# Altium PCB CL-HC-M-V2.1gerber.PcbDoc (part 17 of 18)
Units mil, origin at the board's own origin, x right, y up, seen from the top; angles counter-clockwise.
Board outline 27559.06 x 27559.06 mil, 2 copper layers (TopLayer, BottomLayer); 757 components, 558 nets, 2605 pads, 2186 vias.
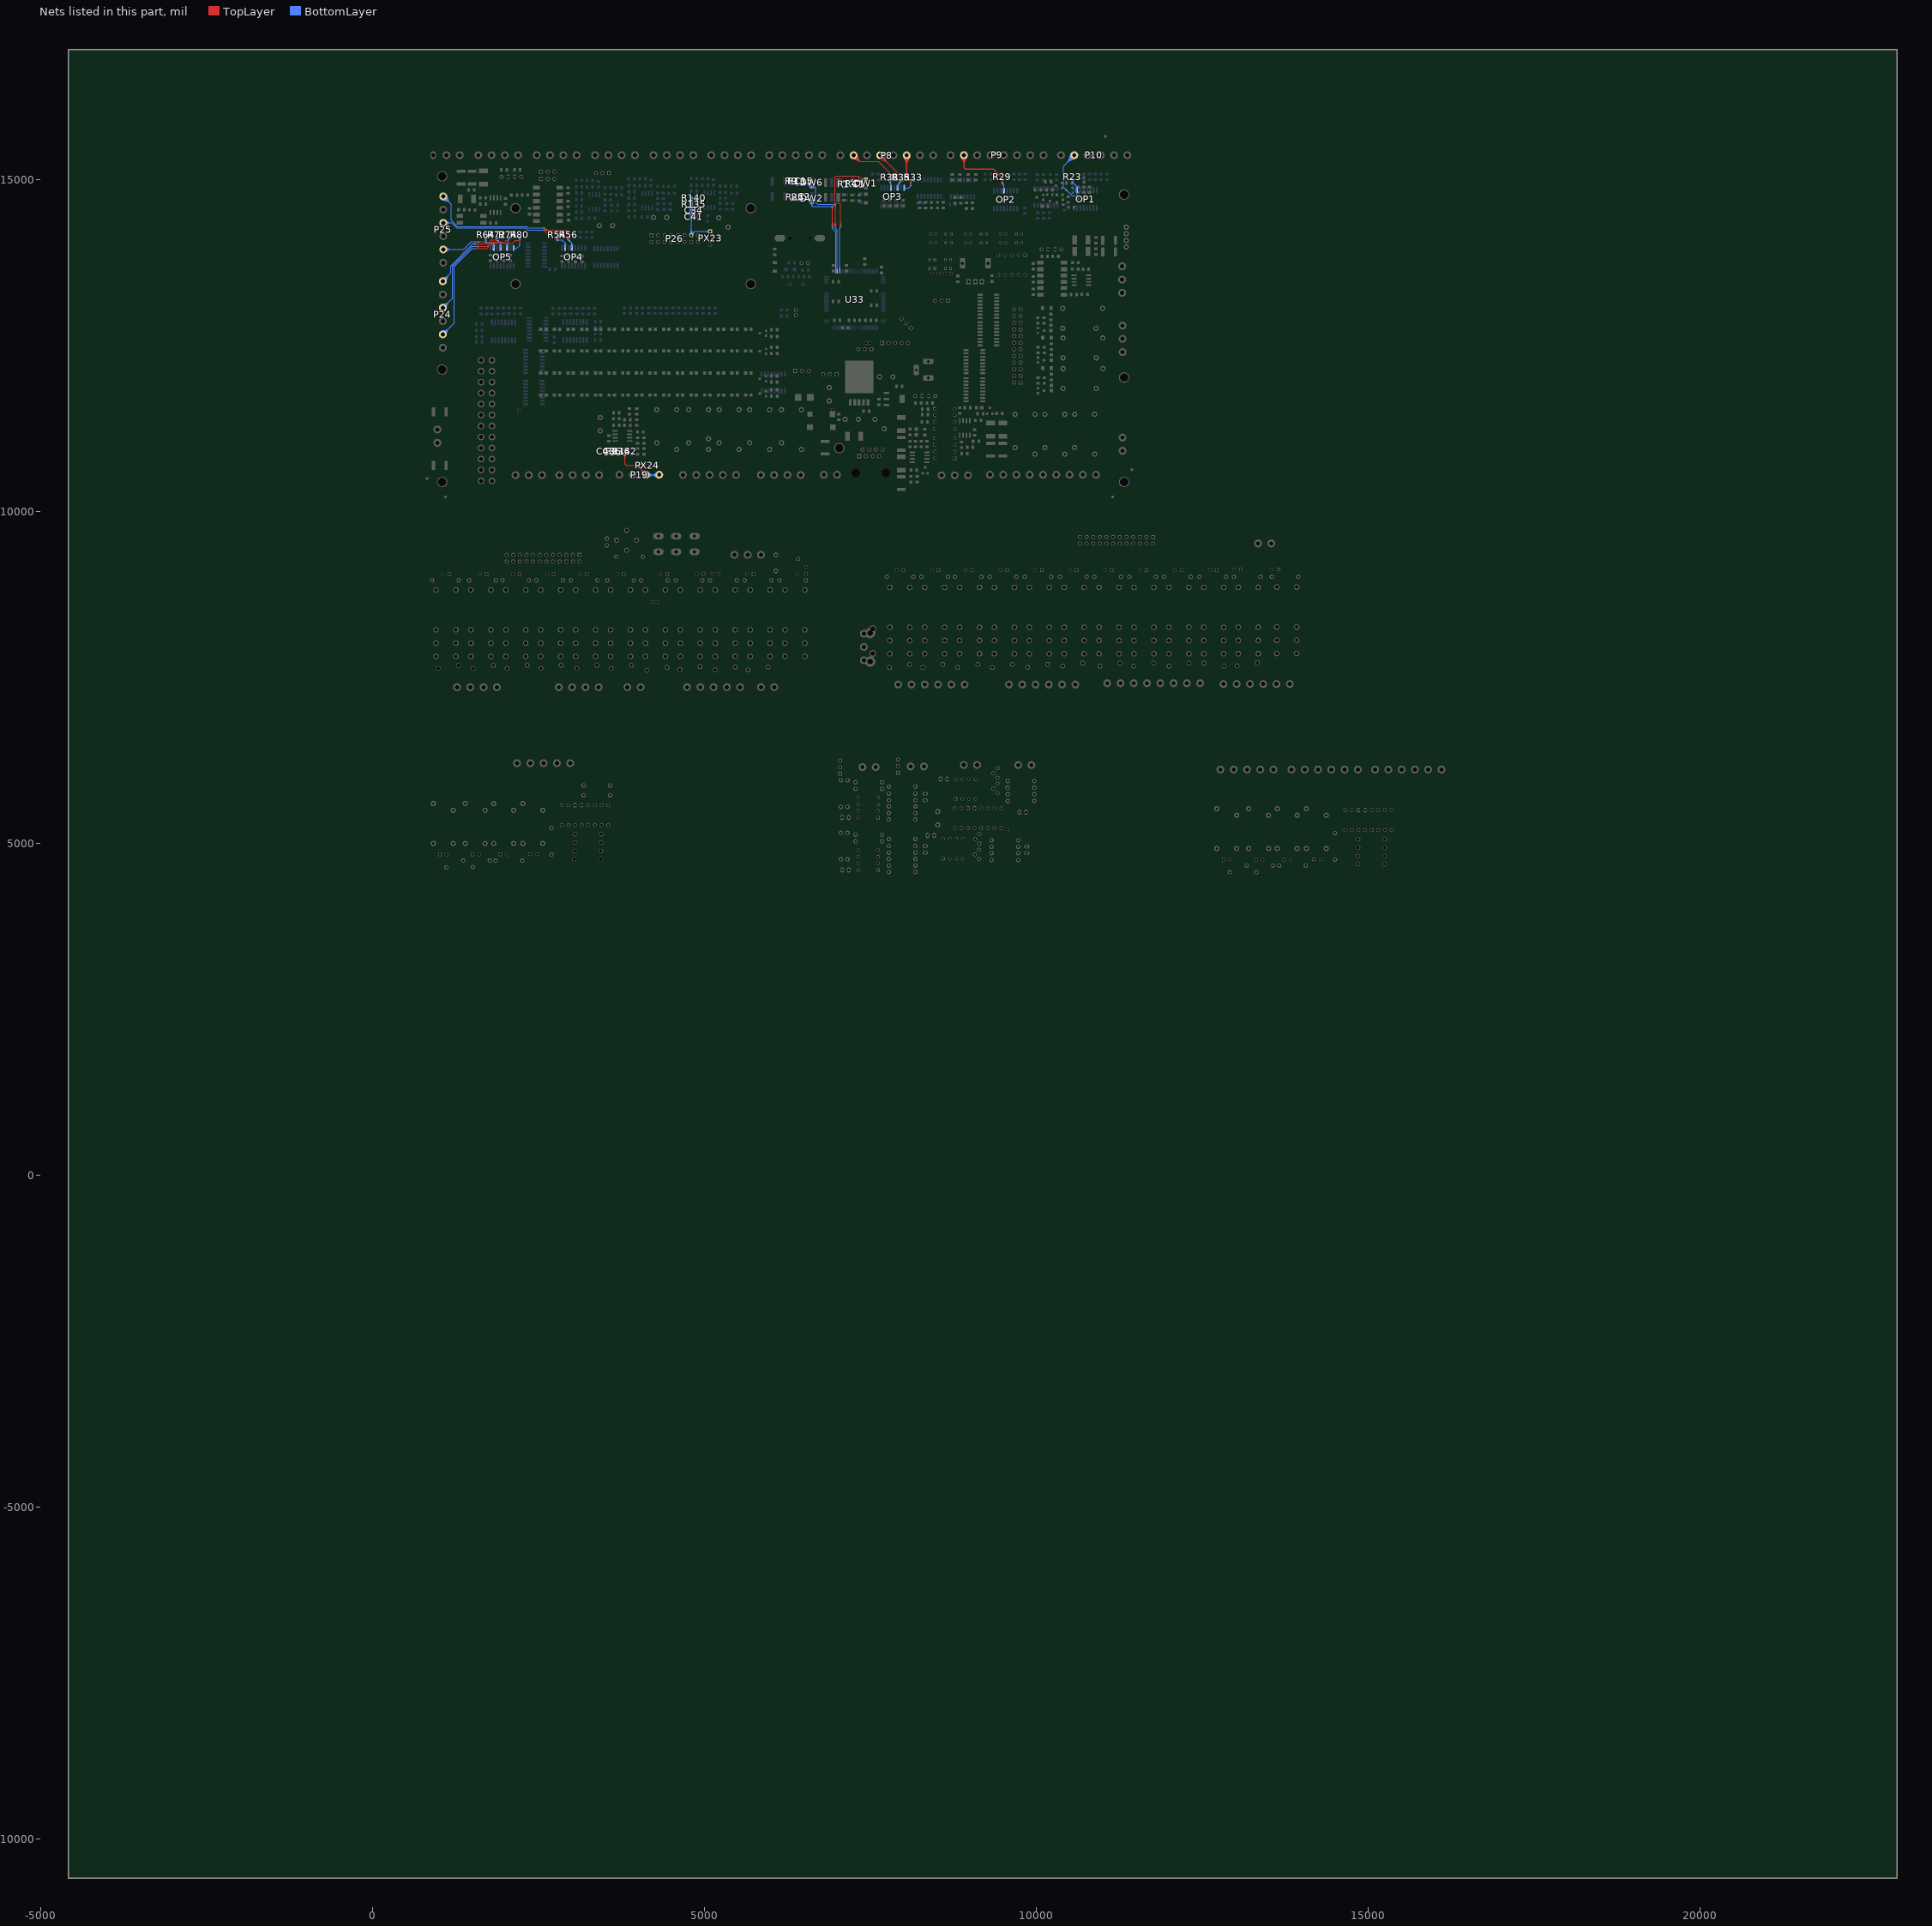
[diagram p17: the nets of this part, all layers, seen from the top]

## Via types
v1: diameter 25, hole 15, TopLayer to BottomLayer, tented both sides, 2146 vias
v2: diameter 20, hole 12, TopLayer to BottomLayer, tented both sides, 24 vias
v3: diameter 25, hole 15, TopLayer to BottomLayer, 13 vias
v4: diameter 50, hole 28, TopLayer to BottomLayer, tented both sides, 2 vias
v5: diameter 40, hole 24, TopLayer to BottomLayer, tented both sides, 1 vias

## Nets (pads, with @x,y where several pads share a name; then routed paths per layer and width w, separated by ;. In a path a pad name is that pad's centre, name@x,y a point inside that pad or via, vN(x,y) a via of type N, cw(c..) or ccw(c..) an arc to the next point about the centre after c; other vN are vias at no path point) (continued)
硬接线-湿度: C34.2 C41.1 P26.13 PX23.1 R135.2 R140.2 | length 4796.8
  BottomLayer w15: P26.13@4780.08,14166.35 4801.86,14237.62 ; P26.13@4788.56,14180.65 4858.97,14220.21 ; C41.1@4789.38,14447.7 C34.2@4792.53,14514.9 ; R135.2@4789.38,14624.3 C34.2@4792.3,14558.01 ; R140.2@4789.37,14721.16 4793.41,14655.31 ; C41.1@4789.42,14437.08 4801.86,14373.28 ; C34.2@4789.42,14530.84 C41.1@4801.86,14467.05 ; C34.2@4789.42,14543.25 R135.2@4801.86,14607.05 ; R135.2@4789.42,14634.87 4801.86,14698.67 ; C41.1@4789.7,14451.15 C34.2@4811.2,14514.9 ; R140.2@4789.67,14717.97 4810.32,14655.31 ; R135.2@4789.72,14620.71 C34.2@4811.43,14558.01 ; P26.13@4801.86,14191.57 C41.1@4801.86,14443.28 C34.2@4801.86,14537.05 R135.2@4801.86,14628.67 R140.2@4801.86,14725.74 ; C41.1@4801.86,14438.28 4801.86,14373.28 ; C34.2@4801.86,14532.05 C41.1@4801.86,14467.05 ; C34.2@4801.86,14542.05 R135.2@4801.86,14607.05 ; R135.2@4801.86,14633.67 4801.86,14698.67 ; R135.2@4814.01,14620.71 C34.2@4792.3,14558.01 ; C41.1@4814.03,14451.15 C34.2@4792.53,14514.9 ; R140.2@4814.05,14717.97 4793.41,14655.31 ; C41.1@4814.31,14437.08 4801.86,14373.28 ; C34.2@4814.31,14530.84 C41.1@4801.86,14467.05 ; C34.2@4814.31,14543.25 R135.2@4801.86,14607.05 ; R135.2@4814.31,14634.87 4801.86,14698.67 ; C41.1@4814.35,14447.7 C34.2@4811.2,14514.9 ; R135.2@4814.35,14624.3 C34.2@4811.43,14558.01 ; R140.2@4814.36,14721.16 4810.32,14655.31 ; P26.13@4819.42,14149.79 4858.97,14220.21 ; P26.13@4823.65,14166.35 4801.86,14237.62 ; PX23.1@5082.92,14242.1 5011.68,14220.21 ; PX23.1@5082.99,14198.53 5011.68,14220.21 ; PX23.1@5085.87,14220.21 4858.97,14220.21 ; PX23.1@5086.21,14220.32 5011.68,14220.21 ; R140.2@4789.88,14717.2 4801.86,14698.67 ; R140.2@4789.88,14717.2 4801.86,14698.67 ; R140.2@4789.88,14717.2 4801.86,14698.67 ; C34.2@4792.3,14558.01 R135.2@4801.86,14623.67 ; C34.2@4792.53,14514.9 C41.1@4801.86,14448.28 ; 4793.41,14655.31 R140.2@4801.86,14720.74 ; 4801.86,14237.62 P26.13@4801.86,14163.1 4858.97,14220.21 ; C41.1@4801.86,14448.28 C34.2@4801.86,14513.28 ; C41.1@4801.86,14448.28 C34.2@4801.86,14513.28 ; C41.1@4801.86,14448.28 C34.2@4811.2,14514.9 ; C34.2@4801.86,14513.28 4789.42,14449.48 C34.2@4801.86,14513.28 ; C34.2@4801.86,14513.28 4814.31,14449.48 C34.2@4801.86,14513.28 ; C34.2@4801.86,14558.67 4814.31,14622.47 C34.2@4801.86,14558.67 ; C34.2@4801.86,14558.67 4789.42,14622.47 C34.2@4801.86,14558.67 ; C34.2@4801.86,14558.67 R135.2@4801.86,14623.67 ; C34.2@4801.86,14558.67 R135.2@4801.86,14623.67 ; R135.2@4801.86,14623.67 C34.2@4811.43,14558.01 ; 4801.86,14655.74 4814.31,14719.54 4801.86,14655.74 ; 4801.86,14655.74 4789.42,14719.54 4801.86,14655.74 ; 4801.86,14655.74 R140.2@4801.86,14720.74 ; 4801.86,14655.74 R140.2@4801.86,14720.74 ; 4801.86,14698.67 R140.2@4813.85,14717.2 ; 4801.86,14698.67 R140.2@4801.86,14720.74 ; 4801.86,14698.67 R140.2@4813.85,14717.2 ; 4801.86,14698.67 R140.2@4801.86,14720.74 ; 4801.86,14698.67 R140.2@4813.85,14717.2 ; 4801.86,14698.67 R140.2@4801.86,14720.74 ; R140.2@4801.86,14720.74 4810.32,14655.31
管温: OP3.6 P8.4 R35.2 | length 2117.6
  TopLayer w15: P8.4@7619.92,15324.03 7739.2,15276.18 ; P8.4@7626.41,15337.8 7739.2,15276.18 ; P8.4@7634.41,15350.59 7739.2,15276.18 ; P8.4@7648.32,15367.06 7939.8,15075.58 v1(7939.8,14949.64) ; P8.4@7664.79,15380.97 7739.2,15276.18 ; P8.4@7677.58,15388.97 7739.2,15276.18 ; P8.4@7691.35,15395.46 7739.2,15276.18
  BottomLayer w15: OP3.6@7912.38,14877.24 OP3.6@7912.38,14918.47 ; R35.2@7972.81,14995.95 R35.2@7972.81,14978.91 ; OP3.6@7912.38,14918.47 R35.2@7972.81,14978.91 ; OP3.6@7912.38,14918.47 v1(7939.8,14949.64) ; 7929.76,14935.86 7977.74,14988.36 v1(7939.8,14949.64) ; 7929.76,14935.86 7956.7,15001.69 v1(7939.8,14949.64) ; 7929.76,14935.86 7967.81,14995.95 v1(7939.8,14949.64) ; 7929.76,14935.86 v1(7939.8,14949.64) ; 7929.76,14935.86 v1(7939.8,14949.64) ; 7929.76,14935.86 v1(7939.8,14949.64) ; v1(7939.8,14949.64) R35.2@7972.81,14978.91 ; v1(7939.8,14949.64) 7959.7,14965.8 7912.38,14907.24 v1(7939.8,14949.64)
缺风: OP1.2 P10.2 R23.2@10549.71,14998.5 | length 2190
  BottomLayer w15: P10.2@10530.69,15397.43 10482.84,15278.15 ; R23.2@10537.36,14996.5 10549.71,14959.29 ; P10.2@10544.45,15390.94 10482.84,15278.15 ; R23.2@10549.71,14998.5 10549.71,14959.29 ; P10.2@10557.25,15382.94 10482.84,15278.15 ; R23.2@10562.05,14996.5 10549.71,14959.29 ; 10578.98,14930.01 OP1.2@10613.86,14873.5 ; P10.2@10587.62,15352.56 10482.84,15278.15 ; P10.2@10595.62,15339.77 10482.84,15278.15 ; P10.2@10602.12,15326 10482.84,15278.15 ; OP1.2@10613.86,14813.5 10613.86,14771.38 ; 10482.84,15278.15 P10.2@10573.71,15369.03 10411.07,15206.39 10411.07,14890.26 10539.98,14761.35 10603.83,14761.35 10613.86,14771.38 ; 10549.71,14959.29 10613.86,14895.14 ; 10613.86,14771.38 OP1.2@10613.86,14843.5 10613.86,14895.14 ; OP1.2@10613.86,14873.5 10613.86,14895.14 ; OP1.2@10613.86,14873.5 10613.86,14895.14
自动门开关1: OP4.2 P25.6 R54.2 | length 4714.7
  TopLayer w10: v1@2578.99,14271.43 2586.46,14229.59 ; v1@2593.93,14271.43 2586.46,14229.59 ; v1@2776.46,14090.95 2783.93,14132.78 v1@2791.4,14090.95 ; v1(2783.93,14090.28) 2783.93,14192 2767.42,14208.52 2604.84,14208.52 2586.46,14226.9 v1(2586.46,14272.09) 2586.46,14229.59
  BottomLayer w10: P25.6@1036.78,14702.98 1145.08,14668.93 ; P25.6@1040.29,14712.6 1145.08,14668.93 ; P25.6@1044.61,14721.78 1145.08,14668.93 ; P25.6@1049.7,14730.48 1145.08,14668.93 ; P25.6@1055.5,14738.66 1145.08,14668.93 ; P25.6@1064.81,14749.2 1183.46,14630.55 1183.46,14388.65 1278.53,14293.58 2328.25,14293.58 2349.74,14272.09 v1(2586.46,14272.09) 2543.96,14272.09 ; P25.6@1075.34,14758.5 1145.08,14668.93 ; P25.6@1083.52,14764.31 1145.08,14668.93 ; P25.6@1092.23,14769.4 1145.08,14668.93 ; P25.6@1101.41,14773.71 1145.08,14668.93 ; P25.6@1111.03,14777.22 1145.08,14668.93 ; v1@2585.8,14264.62 2543.96,14272.09 ; v1@2585.8,14279.56 2543.96,14272.09 ; v1@2776.85,14087.81 R54.2@2767.67,14125.4 ; v1@2777.2,14093.6 R54.2@2797.08,14125.4 ; v1@2784.59,14082.81 2826.43,14090.28 v1@2784.59,14097.75 ; v1@2790.4,14094.08 R54.2@2767.67,14125.4 ; v1@2791.18,14088.37 R54.2@2797.08,14125.4 ; OP4.2@2892.84,14001.34 2902.76,14038.36 ; OP4.2@2902.76,13970.04 2902.76,14038.36 ; OP4.2@2902.76,14000.04 2902.76,14038.36 ; OP4.2@2912.67,14001.34 2902.76,14038.36 ; R54.2@2767.67,14125.4 v1@2782.38,14090.28 ; R54.2@2767.67,14125.4 v1(2783.93,14090.28) ; v1@2782.38,14090.28 R54.2@2782.38,14128.36 ; v1@2782.38,14090.28 v1(2783.93,14090.28) ; v1@2782.38,14090.28 R54.2@2797.08,14125.4 ; v1@2782.38,14090.28 R54.2@2782.38,14128.36 ; R54.2@2782.38,14128.36 2776.44,14090.72 R54.2@2782.38,14128.36 ; R54.2@2782.38,14128.36 2791.35,14091.32 R54.2@2782.38,14128.36 ; R54.2@2782.38,14128.36 v1(2783.93,14090.28) ; R54.2@2782.38,14128.36 v1(2783.93,14090.28) ; v1(2783.93,14090.28) 2850.83,14090.28 2902.76,14038.36 ; v1(2783.93,14090.28) R54.2@2797.08,14125.4
自动门开关2: OP4.4 P25.4 R56.2 | length 3938.9
  TopLayer w10: v1(2616.98,14244.59) 2920.17,14244.59 2952.38,14212.38 v1(2952.38,14094.55) ; v1@2617.64,14237.12 2659.48,14244.59 v1@2617.64,14252.06 ; v1@2944.9,14095.21 2952.38,14137.05 v1@2959.85,14095.21
  BottomLayer w10: P25.4@1064.81,14349.2 1194.63,14349.2 1270.24,14273.58 2313.16,14273.58 2342.15,14244.59 v1(2616.98,14244.59) ; P25.4@1065.92,14335.19 1153.86,14349.2 ; P25.4@1065.92,14363.21 1153.86,14349.2 ; P25.4@1068.06,14325.36 1153.86,14349.2 ; P25.4@1068.06,14373.03 1153.86,14349.2 ; P25.4@1071.32,14315.77 1153.86,14349.2 ; P25.4@1071.32,14382.63 1153.86,14349.2 ; P25.4@1075.7,14306.51 1153.86,14349.2 ; P25.4@1075.7,14391.89 1153.86,14349.2 ; P25.4@1081.21,14297.69 1153.86,14349.2 ; P25.4@1081.21,14400.71 1153.86,14349.2 ; v1@2945.3,14092.07 R56.2@2937.75,14125.03 ; v1@2946.01,14098.52 R56.2@2967,14125.03 ; v1@2947.51,14088.85 2986.09,14060.84 v1@2958.08,14099.42 ; v1@2958.74,14098.52 R56.2@2937.75,14125.03 ; v1@2959.46,14092.07 R56.2@2967,14125.03 ; OP4.4@2992.82,14001.17 3002.76,14044.16 ; OP4.4@3002.76,13970.04 3002.76,14044.16 ; OP4.4@3002.76,14000.04 3002.76,14044.16 ; OP4.4@3012.69,14001.17 3002.76,14044.16 ; R56.2@2937.75,14125.03 v1(2952.38,14094.55) ; R56.2@2937.75,14125.03 v1(2952.38,14094.55) ; v1(2952.38,14094.55) 3002.76,14044.16 ; v1(2952.38,14094.55) R56.2@2952.38,14129.57 ; v1(2952.38,14094.55) R56.2@2967,14125.03 ; v1(2952.38,14094.55) R56.2@2952.38,14128.36 ; R56.2@2952.38,14128.36 2944.92,14095.38 R56.2@2952.38,14129.57 ; R56.2@2952.38,14128.36 2959.83,14095.38 R56.2@2952.38,14129.57
自动门开关3: OP5.2 P25.2 R64.2 | length 2863.1
  TopLayer w10: v1(1587.61,14066.28) v1(1708.93,14066.28) 1666.43,14066.28 ; v1@1588.27,14058.81 1630.11,14066.28 v1@1588.27,14073.75 ; v1@1708.27,14058.81 1666.43,14066.28 ; v1@1708.27,14073.75 1666.43,14066.28
  BottomLayer w10: P25.2@1064.81,13949.2 1375.29,13949.2 1492.38,14066.28 v1(1587.61,14066.28) 1545.11,14066.28 ; P25.2@1065.92,13935.19 1153.86,13949.2 ; P25.2@1065.92,13963.21 1153.86,13949.2 ; P25.2@1068.06,13925.36 1153.86,13949.2 ; P25.2@1068.06,13973.03 1153.86,13949.2 ; P25.2@1071.32,13915.77 1153.86,13949.2 ; P25.2@1071.32,13982.63 1153.86,13949.2 ; P25.2@1075.7,13906.51 1153.86,13949.2 ; P25.2@1075.7,13991.89 1153.86,13949.2 ; P25.2@1081.21,13897.69 1153.86,13949.2 ; P25.2@1081.21,14000.71 1153.86,13949.2 ; v1@1586.95,14058.81 1545.11,14066.28 ; v1@1586.95,14073.75 1545.11,14066.28 ; R64.2@1692.54,14126.11 1707.38,14078.36 R64.2@1722.21,14126.11 ; v1@1701.44,14066.67 R64.2@1707.38,14108.84 ; v1@1701.53,14065.03 R64.2@1697.91,14108.84 ; v1@1701.7,14068.3 R64.2@1717.56,14111.16 ; v1@1704.1,14060.54 1722.38,14050.08 ; R64.2@1707.38,14128.36 v1@1707.38,14065.08 ; v1@1715.46,14069.97 1722.38,14050.08 ; v1@1716,14068.78 R64.2@1697.91,14108.84 ; v1@1716.38,14065.48 R64.2@1717.56,14111.16 ; v1@1716.37,14067.22 R64.2@1707.38,14108.84 ; OP5.2@1817.84,14001.34 1827.76,14038.36 ; OP5.2@1827.76,13970.04 1827.76,14038.36 ; OP5.2@1827.76,14000.04 1827.76,14038.36 ; OP5.2@1837.67,14001.34 1827.76,14038.36 ; R64.2@1697.91,14108.84 v1(1708.93,14066.28) ; v1@1707.38,14065.08 v1(1708.93,14066.28) ; v1@1707.38,14065.08 1707.55,14064.9 1722.38,14050.08 ; R64.2@1707.38,14108.84 v1(1708.93,14066.28) ; v1(1708.93,14066.28) R64.2@1717.56,14111.16 ; v1(1708.93,14066.28) 1722.38,14050.08 ; 1722.38,14050.08 1816.04,14050.08 1827.76,14038.36
自动门开关4: OP5.4 P24.6 R72.2 | length 3367
  TopLayer w10: v1(1543.41,14032.26) 1728.76,14032.26 1791.05,14094.55 v1(1877.38,14094.55) ; v1@1544.07,14024.79 1585.91,14032.26 v1@1544.07,14039.73 ; v1@1876.71,14087.08 1834.88,14094.55 v1@1876.71,14102.02
  BottomLayer w10: P24.6@1030.62,13515.42 1138.91,13549.47 ; P24.6@1034.13,13505.8 1138.91,13549.47 ; P24.6@1038.45,13496.62 1138.91,13549.47 ; P24.6@1043.53,13487.92 1138.91,13549.47 ; P24.6@1049.34,13479.73 1138.91,13549.47 ; P24.6@1058.64,13469.2 1181.72,13592.27 1181.72,13701.21 1512.77,14032.26 ; P24.6@1069.18,13459.9 1138.91,13549.47 ; P24.6@1077.36,13454.09 1138.91,13549.47 ; P24.6@1086.06,13449 1138.91,13549.47 ; P24.6@1095.25,13444.68 1138.91,13549.47 ; P24.6@1104.87,13441.18 1138.91,13549.47 ; v1@1542.49,14024.82 1512.77,14032.26 ; v1@1542.49,14039.71 1512.77,14032.26 ; v1@1870.27,14092.16 R72.2@1862.72,14126.35 ; v1@1870.94,14098.4 R72.2@1892.03,14126.35 ; v1@1872.51,14088.85 1911.09,14060.84 v1@1883.08,14099.42 ; v1@1883.81,14098.4 R72.2@1862.72,14126.35 ; v1@1884.48,14092.16 R72.2@1892.03,14126.35 ; OP5.4@1917.82,14001.17 1927.76,14044.16 ; OP5.4@1927.76,13970.04 1927.76,14044.16 ; OP5.4@1927.76,14000.04 1927.76,14044.16 ; OP5.4@1937.69,14001.17 1927.76,14044.16 ; 1512.77,14032.26 v1(1543.41,14032.26) 1512.77,14032.26 ; R72.2@1862.72,14126.35 v1(1877.38,14094.55) ; R72.2@1862.72,14126.35 v1(1877.38,14094.55) ; v1(1877.38,14094.55) R72.2@1877.38,14129.57 ; v1(1877.38,14094.55) 1927.76,14044.16 ; v1(1877.38,14094.55) R72.2@1892.03,14126.35 ; v1(1877.38,14094.55) R72.2@1877.38,14129.57 ; R72.2@1877.38,14129.57 1869.92,14095.35 R72.2@1877.38,14129.57 ; R72.2@1877.38,14129.57 1884.83,14095.35 R72.2@1877.38,14129.57
自动门开关5: OP5.6 P24.4 R74.2 | length 3623.8
  TopLayer w10: v1@1590.34,14001.77 1632.42,13995.41 ; v1@1590.74,13986.84 1632.42,13995.41 ; v2(2048.21,14084.71) 2012.5,14084.71 1991.24,14063.45 1796.8,14063.45 1728.76,13995.41 1588.76,13995.41 v1(1589.88,13994.29) 1632.42,13995.41
  BottomLayer w10: P24.4@1030.62,13115.42 1138.91,13149.47 ; P24.4@1034.13,13105.8 1138.91,13149.47 ; P24.4@1038.45,13096.62 1138.91,13149.47 ; P24.4@1043.53,13087.92 1138.91,13149.47 ; P24.4@1049.34,13079.73 1138.91,13149.47 ; P24.4@1058.64,13069.2 1205.52,13216.07 1205.52,13696.72 1503.09,13994.29 v1(1589.88,13994.29) 1547.38,13994.29 ; P24.4@1069.18,13059.9 1138.91,13149.47 ; P24.4@1077.36,13054.09 1138.91,13149.47 ; P24.4@1086.06,13049 1138.91,13149.47 ; P24.4@1095.25,13044.68 1138.91,13149.47 ; P24.4@1104.87,13041.18 1138.91,13149.47 ; v1@1589.22,13986.82 1547.38,13994.29 ; v1@1589.22,14001.76 1547.38,13994.29 ; OP5.6@2017.83,14001.19 2027.76,14043.28 ; OP5.6@2027.76,13970.04 2027.76,14043.28 ; OP5.6@2027.76,14000.04 2027.76,14043.28 ; R74.2@2032.54,14126.11 2047.38,14078.36 R74.2@2062.21,14126.11 ; R74.2@2033.55,14122.87 v2(2048.21,14084.71) ; OP5.6@2037.69,14001.19 2027.76,14043.28 ; R74.2@2047.38,14124.73 v2(2048.21,14084.71) ; R74.2@2047.38,14128.36 2047.38,14062.9 ; R74.2@2061.28,14123.13 v2(2048.21,14084.71) ; 2027.76,14043.28 2047.38,14062.9 ; 2047.38,14062.9 v2(2048.21,14084.71)
自动门开关6: OP5.8 P24.2 R80.2 | length 4206.1
  TopLayer w10: v1(1542.26,13963.11) 1724.74,13963.11 1805.08,14043.45 2113.53,14043.45 2155.07,14084.99 v2(2217.72,14085) ; v1@1542.92,13955.64 1584.76,13963.11 v1@1542.92,13970.58 ; 2177.72,14084.99 v2(2217.72,14085)
  BottomLayer w10: P24.2@1030.62,12715.42 1138.91,12749.47 ; P24.2@1034.13,12705.8 1138.91,12749.47 ; P24.2@1038.45,12696.62 1138.91,12749.47 ; P24.2@1043.53,12687.92 1138.91,12749.47 ; P24.2@1049.34,12679.73 1138.91,12749.47 ; P24.2@1058.64,12669.2 1230.46,12841.02 1230.46,13693.38 1500.19,13963.11 ; P24.2@1069.18,12659.9 1138.91,12749.47 ; P24.2@1077.36,12654.09 1138.91,12749.47 ; P24.2@1086.06,12649 1138.91,12749.47 ; P24.2@1095.25,12644.68 1138.91,12749.47 ; P24.2@1104.87,12641.18 1138.91,12749.47 ; v1@1541.59,13955.64 1500.19,13963.11 ; v1@1541.59,13970.58 1500.19,13963.11 ; OP5.8@2127.76,13970.04 2175.61,13970.04 2217.38,14011.81 R80.2@2217.38,14128.36 ; OP5.8@2128.87,13960.1 2172.76,13970.04 OP5.8@2128.87,13979.98 ; R80.2@2202.54,14126.11 2217.38,14078.36 R80.2@2232.21,14126.11 ; R80.2@2203.44,14123.22 v2(2217.72,14085) ; 2217.38,14045 v2(2217.72,14085) ; R80.2@2217.38,14125 v2(2217.72,14085) ; R80.2@2231.34,14123.33 v2(2217.72,14085) ; 1500.19,13963.11 v1(1542.26,13963.11) 1500.19,13963.11
设定温度: C15.1 DW6.K R9.1@6313.23,14934.91 R13.2@6401.61,14932.82 U33.41 | length 5150.4
  TopLayer w10: v1@6964.87,14307 6972.33,14348.84 ; v1@6964.87,14626.04 6972.34,14584.2 ; v1(6972.34,14306.34) v1(6972.34,14626.7) 6972.34,14584.2 ; v1(6972.34,14306.34) 6972.33,14348.84 ; v1@6979.81,14307 6972.33,14348.84 ; v1@6979.81,14626.04 6972.34,14584.2
  BottomLayer w10: DW6.K@6621.61,14893.35 6668.46,14893.35 ; DW6.K@6626.61,14893.35 6668.46,14893.35 ; DW6.K@6627.8,14883.42 6668.46,14893.35 ; DW6.K@6627.8,14903.28 6668.46,14893.35 ; DW6.K@6631.39,14873.93 6668.46,14893.35 ; DW6.K@6631.39,14912.77 6668.46,14893.35 ; v1@6964.88,14305.6 6972.34,14268.25 ; v1@6971.68,14619.23 6929.84,14626.7 ; v1@6971.68,14634.17 6929.84,14626.7 ; v1@6979.81,14305.6 6972.34,14268.25 ; U33.41@7002.7,13622.58 7002.7,14237.89 6972.34,14268.25 ; U33.41@7002.7,13652.83 7002.7,13687.58 ; 6668.46,14893.35 6680.75,14881.06 6680.75,14654.44 6708.49,14626.7 v1(6972.34,14626.7) 6929.84,14626.7 ; 6972.34,14268.25 v1(6972.34,14306.34) 6972.34,14268.25
  BottomLayer w15: R9.1@6313.23,14934.91 6539.51,14934.91 ; R9.1@6318.23,14934.91 R13.2@6383.23,14934.91 ; R9.1@6319.43,14922.47 R13.2@6383.23,14934.91 ; R9.1@6319.43,14947.36 R13.2@6383.23,14934.91 ; R13.2@6393.15,14920.81 R9.1@6332.17,14944.87 ; R13.2@6393.91,14945.03 R9.1@6330.77,14924.68 ; R13.2@6395.01,14920.42 R9.1@6331.56,14934.91 ; R13.2@6395.01,14920.42 R9.1@6331.45,14934.91 ; R13.2@6395.81,14945.29 R9.1@6331.56,14934.91 ; R13.2@6395.81,14945.29 R9.1@6331.45,14934.91 ; R13.2@6396.96,14920.32 R9.1@6330.77,14924.68 ; R13.2@6397.72,14945.27 R9.1@6332.17,14944.87 ; R13.2@6406.19,14945.31 6471.46,14941.24 ; R13.2@6406.32,14920.32 6474.3,14925.02 ; R13.2@6407.41,14945.29 6471.67,14934.91 ; R13.2@6407.45,14920.35 C15.1@6496.61,14932.63 ; R13.2@6407.5,14945.29 C15.1@6496.61,14932.63 ; R13.2@6408.21,14920.42 6471.67,14934.91 ; R13.2@6409.17,14945.05 6474.3,14925.02 ; R13.2@6409.39,14920.63 6471.46,14941.24 ; C15.1@6494.97,14920.24 6431.53,14934.91 ; C15.1@6495.84,14945.11 6431.53,14934.91 ; C15.1@6506.61,14932.63 6539.51,14934.91 ; C15.1@6508.12,14945.04 6539.51,14934.91 ; C15.1@6509.82,14920.55 6539.51,14934.91 ; DW6.K@6612.3,14876.39 6581.08,14893.35 ; DW6.K@6612.3,14910.31 6581.08,14893.35 ; DW6.K@6616.61,14893.35 6581.08,14893.35 ; DW6.K@6621.61,14893.35 6581.08,14893.35 ; R9.1@6330.77,14924.68 R13.2@6396.61,14932.82 ; R9.1@6331.45,14934.91 R13.2@6396.61,14932.82 ; R9.1@6331.56,14934.91 R13.2@6396.61,14932.82 ; R9.1@6332.17,14944.87 R13.2@6396.61,14932.82 ; R13.2@6406.61,14932.82 6471.67,14934.91 ; R13.2@6406.61,14932.82 6474.3,14925.02 ; R13.2@6406.61,14932.82 6431.53,14934.91 ; R13.2@6406.61,14932.82 C15.1@6496.61,14932.63 ; R13.2@6406.61,14932.82 6431.53,14934.91 ; R13.2@6406.61,14932.82 6471.46,14941.24 ; R13.2@6406.61,14932.82 6431.53,14934.91 ; R13.2@6408.71,14945.14 6431.53,14934.91 ; R13.2@6408.71,14945.14 6431.53,14934.91 ; R13.2@6408.71,14945.14 6431.53,14934.91 ; R13.2@6410.73,14921.02 6431.53,14934.91 ; R13.2@6410.73,14921.02 6431.53,14934.91 ; R13.2@6410.73,14921.02 6431.53,14934.91 ; 6431.53,14934.91 C15.1@6496.61,14932.63 ; 6539.51,14934.91 6581.08,14893.35
设定湿度: C2.1@6510.11,14704.28 DW2.K R2.1@6321.73,14697 R5.2@6410.11,14697 U33.40 | length 3226.6
  TopLayer w10: v1@6925.59,14307 6933.06,14348.84 ; v1@6925.6,14592.96 6933.07,14551.12 v1@6940.54,14592.96 ; v1(6933.07,14593.62) v1(6933.06,14306.34) 6933.06,14348.84 ; v1@6940.53,14307 6933.06,14348.84
  BottomLayer w10: DW2.K@6600.45,14653.3 6620.11,14602.95 ; DW2.K@6610.15,14656.08 6620.11,14602.95 ; DW2.K@6620.11,14657 6620.11,14602.95 ; DW2.K@6630.06,14656.08 6620.11,14602.95 ; DW2.K@6639.76,14653.3 6620.11,14602.95 ; v1@6925.59,14305.65 6933.06,14265.78 ; v1@6932.41,14586.15 6890.57,14593.62 ; v1@6932.41,14601.09 6890.57,14593.62 ; v1@6940.53,14305.65 6933.06,14265.78 ; U33.40@6983.02,13622.58 6983.02,14215.82 6933.06,14265.78 ; U33.40@6983.02,13652.83 6983.02,13687.58 ; 6620.11,14602.95 6629.43,14593.62 v1(6933.07,14593.62) 6890.57,14593.62 ; 6933.06,14265.78 v1(6933.06,14306.34) 6933.06,14265.78
  BottomLayer w20: R2.1@6321.73,14697 R5.2@6410.11,14697 6607.67,14697 ; R2.1@6325.11,14697 6405.11,14697 6326.73,14697 R5.2@6406.73,14697 ; R5.2@6424.52,14697 C2.1@6505.11,14704.28 ; C2.1@6494.99,14703.37 6415.11,14697 C2.1@6495.11,14697 ; C2.1@6515.11,14704.28 6595.69,14697 ; DW2.K@6600.11,14657.02 6607.67,14697 ; DW2.K@6615.11,14657 6607.67,14697 ; DW2.K@6629.1,14662.42 6607.67,14697 ; 6607.67,14697 6620.11,14684.56 ; 6620.11,14684.56 DW2.K@6620.11,14657 6620.11,14684.56 ; 6620.11,14684.56 6605.67,14661.08 6620.11,14684.56 ; 6620.11,14684.56 6634.54,14661.08 6620.11,14684.56
防冻: OP3.4 P8.2 R38.2 | length 1895.5
  TopLayer w15: P8.2@7219.92,15324.03 7339.2,15276.18 ; P8.2@7226.41,15337.8 7339.2,15276.18 ; P8.2@7234.41,15350.59 7339.2,15276.18 ; P8.2@7248.32,15367.06 7341.64,15273.74 7622.04,15273.74 7797.81,15097.97 v3(7797.81,14955.32) ; P8.2@7264.79,15380.97 7339.2,15276.18 ; P8.2@7277.58,15388.97 7339.2,15276.18 ; P8.2@7291.35,15395.46 7339.2,15276.18
  BottomLayer w15: R38.2@7810.16,14994.03 v3(7797.81,14955.32) ; OP3.4@7812.38,14877.24 7812.38,14940.76 ; OP3.4@7812.38,14907.24 7812.38,14940.76 ; v3(7797.81,14955.32) 7812.38,14940.76 ; v3(7797.81,14955.32) R38.2@7797.81,14995.95 v3(7797.81,14955.32) ; v3(7797.81,14955.32) 7785.46,14994.03 v3(7797.81,14955.32)